# KiCad board emonPi3.kicad_pcb
title: emonPi3; date: 2025-05-18; rev: 1.0; company: OpenEnergyMonitor / Tilt Ltd; note: https://openenergymonitor.org; note: github.com/awjlogan/emon32
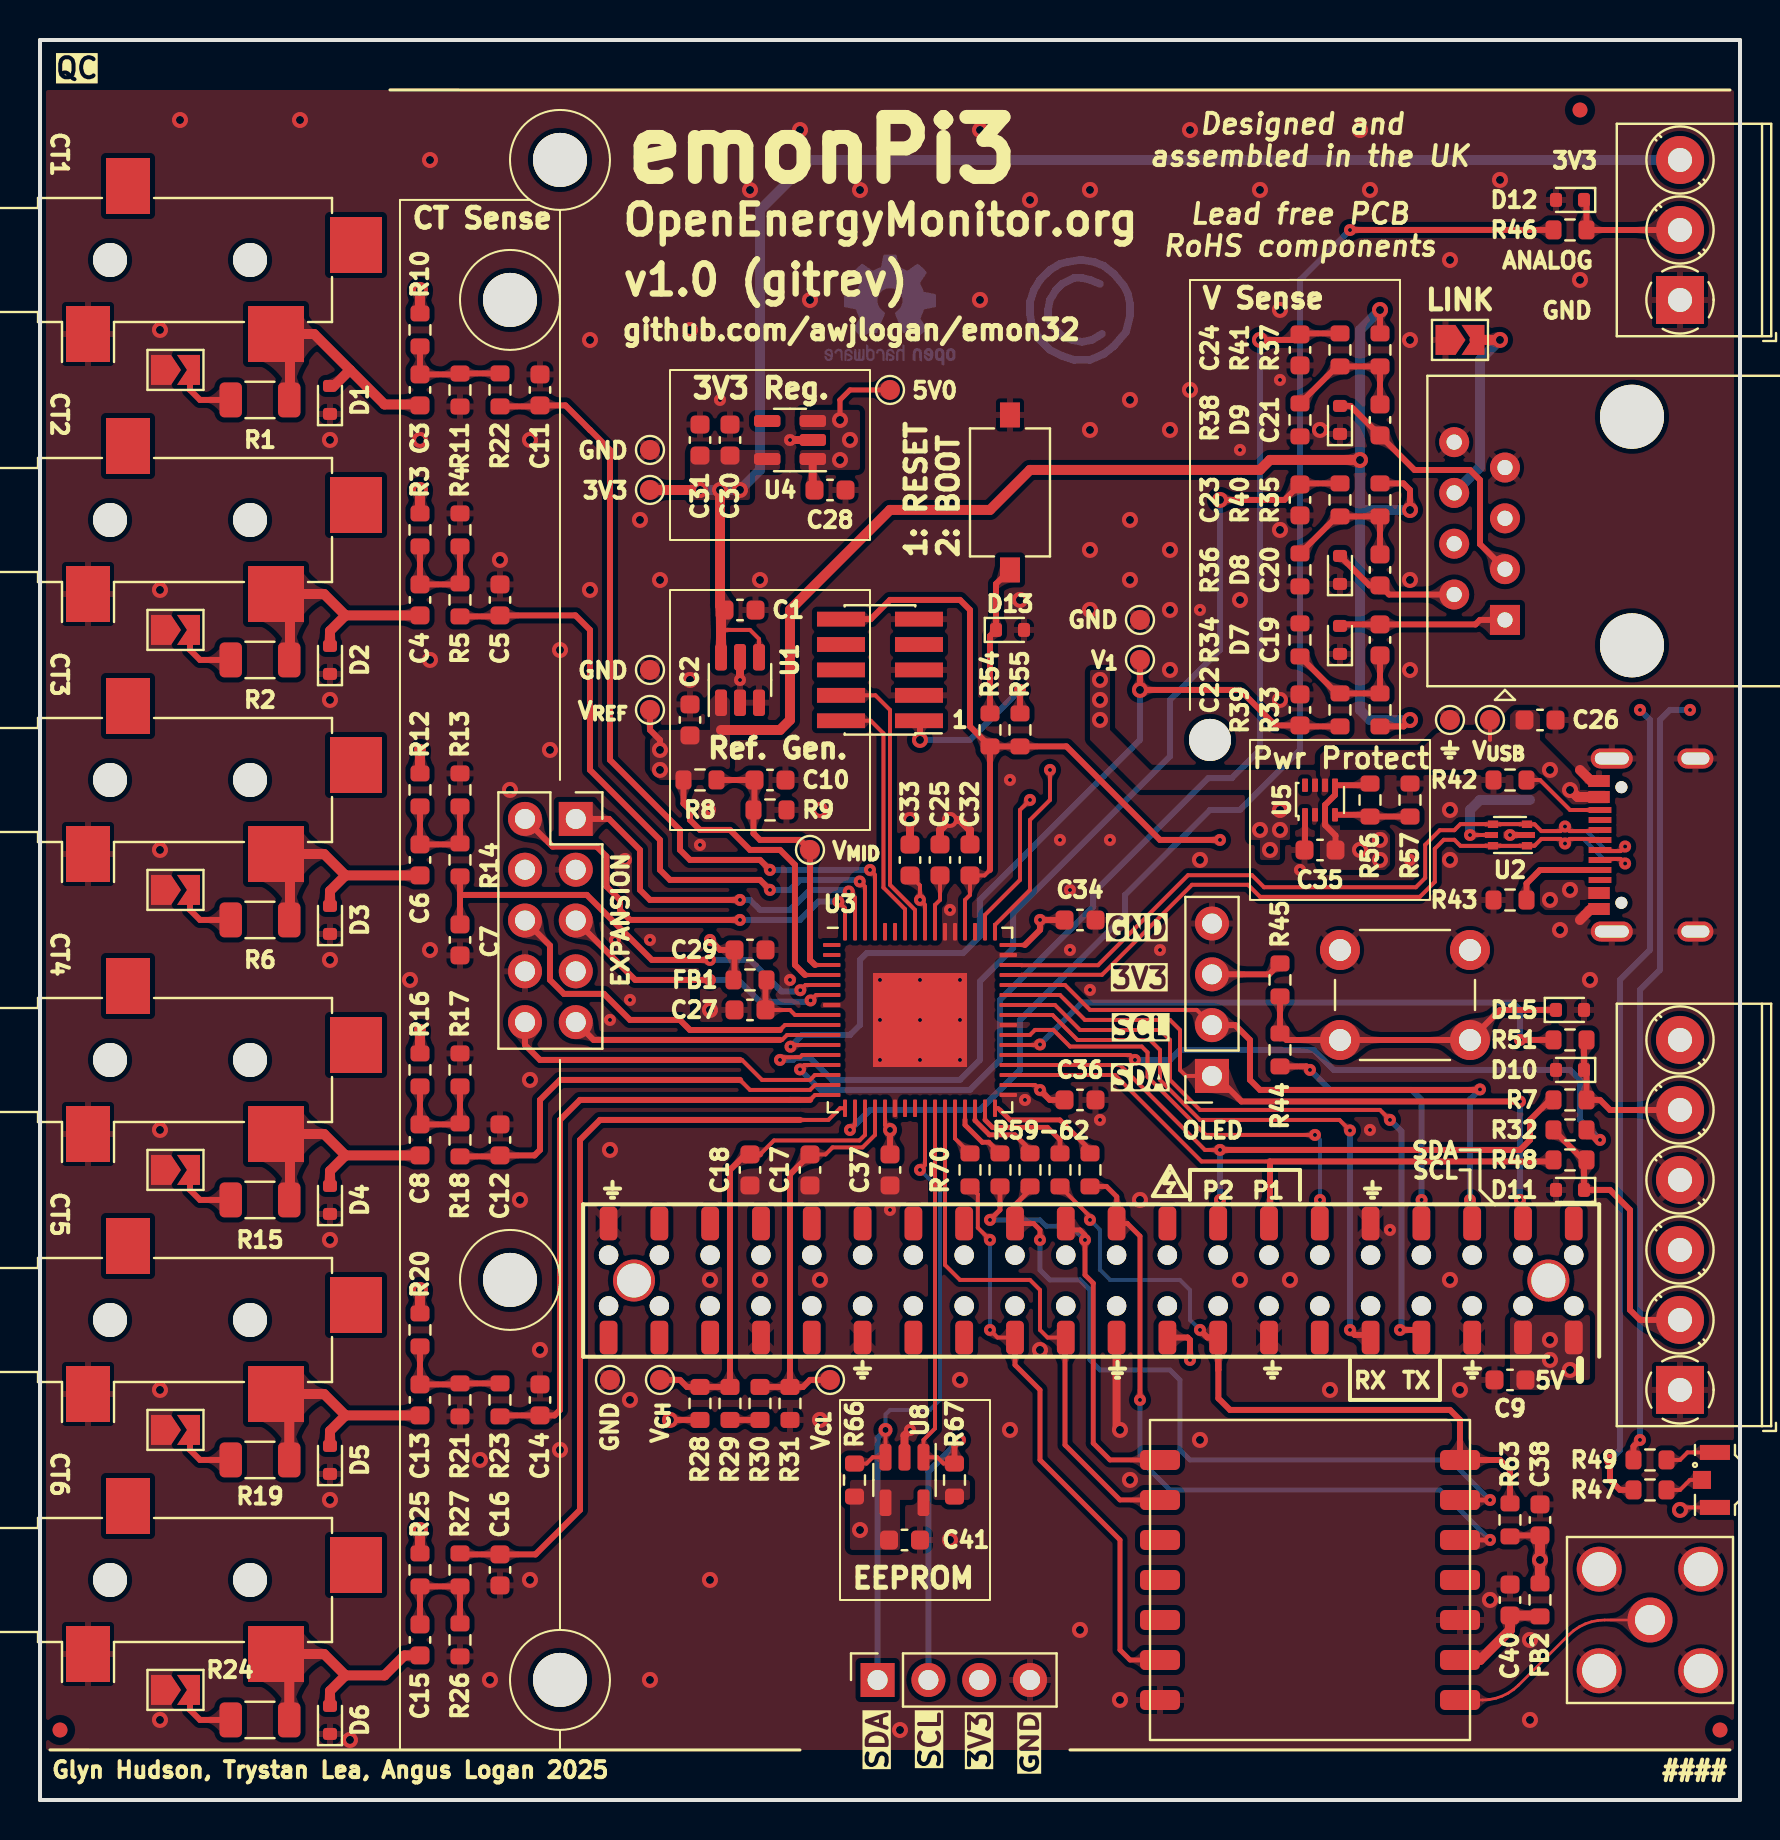
[diagram p0: board, top side]
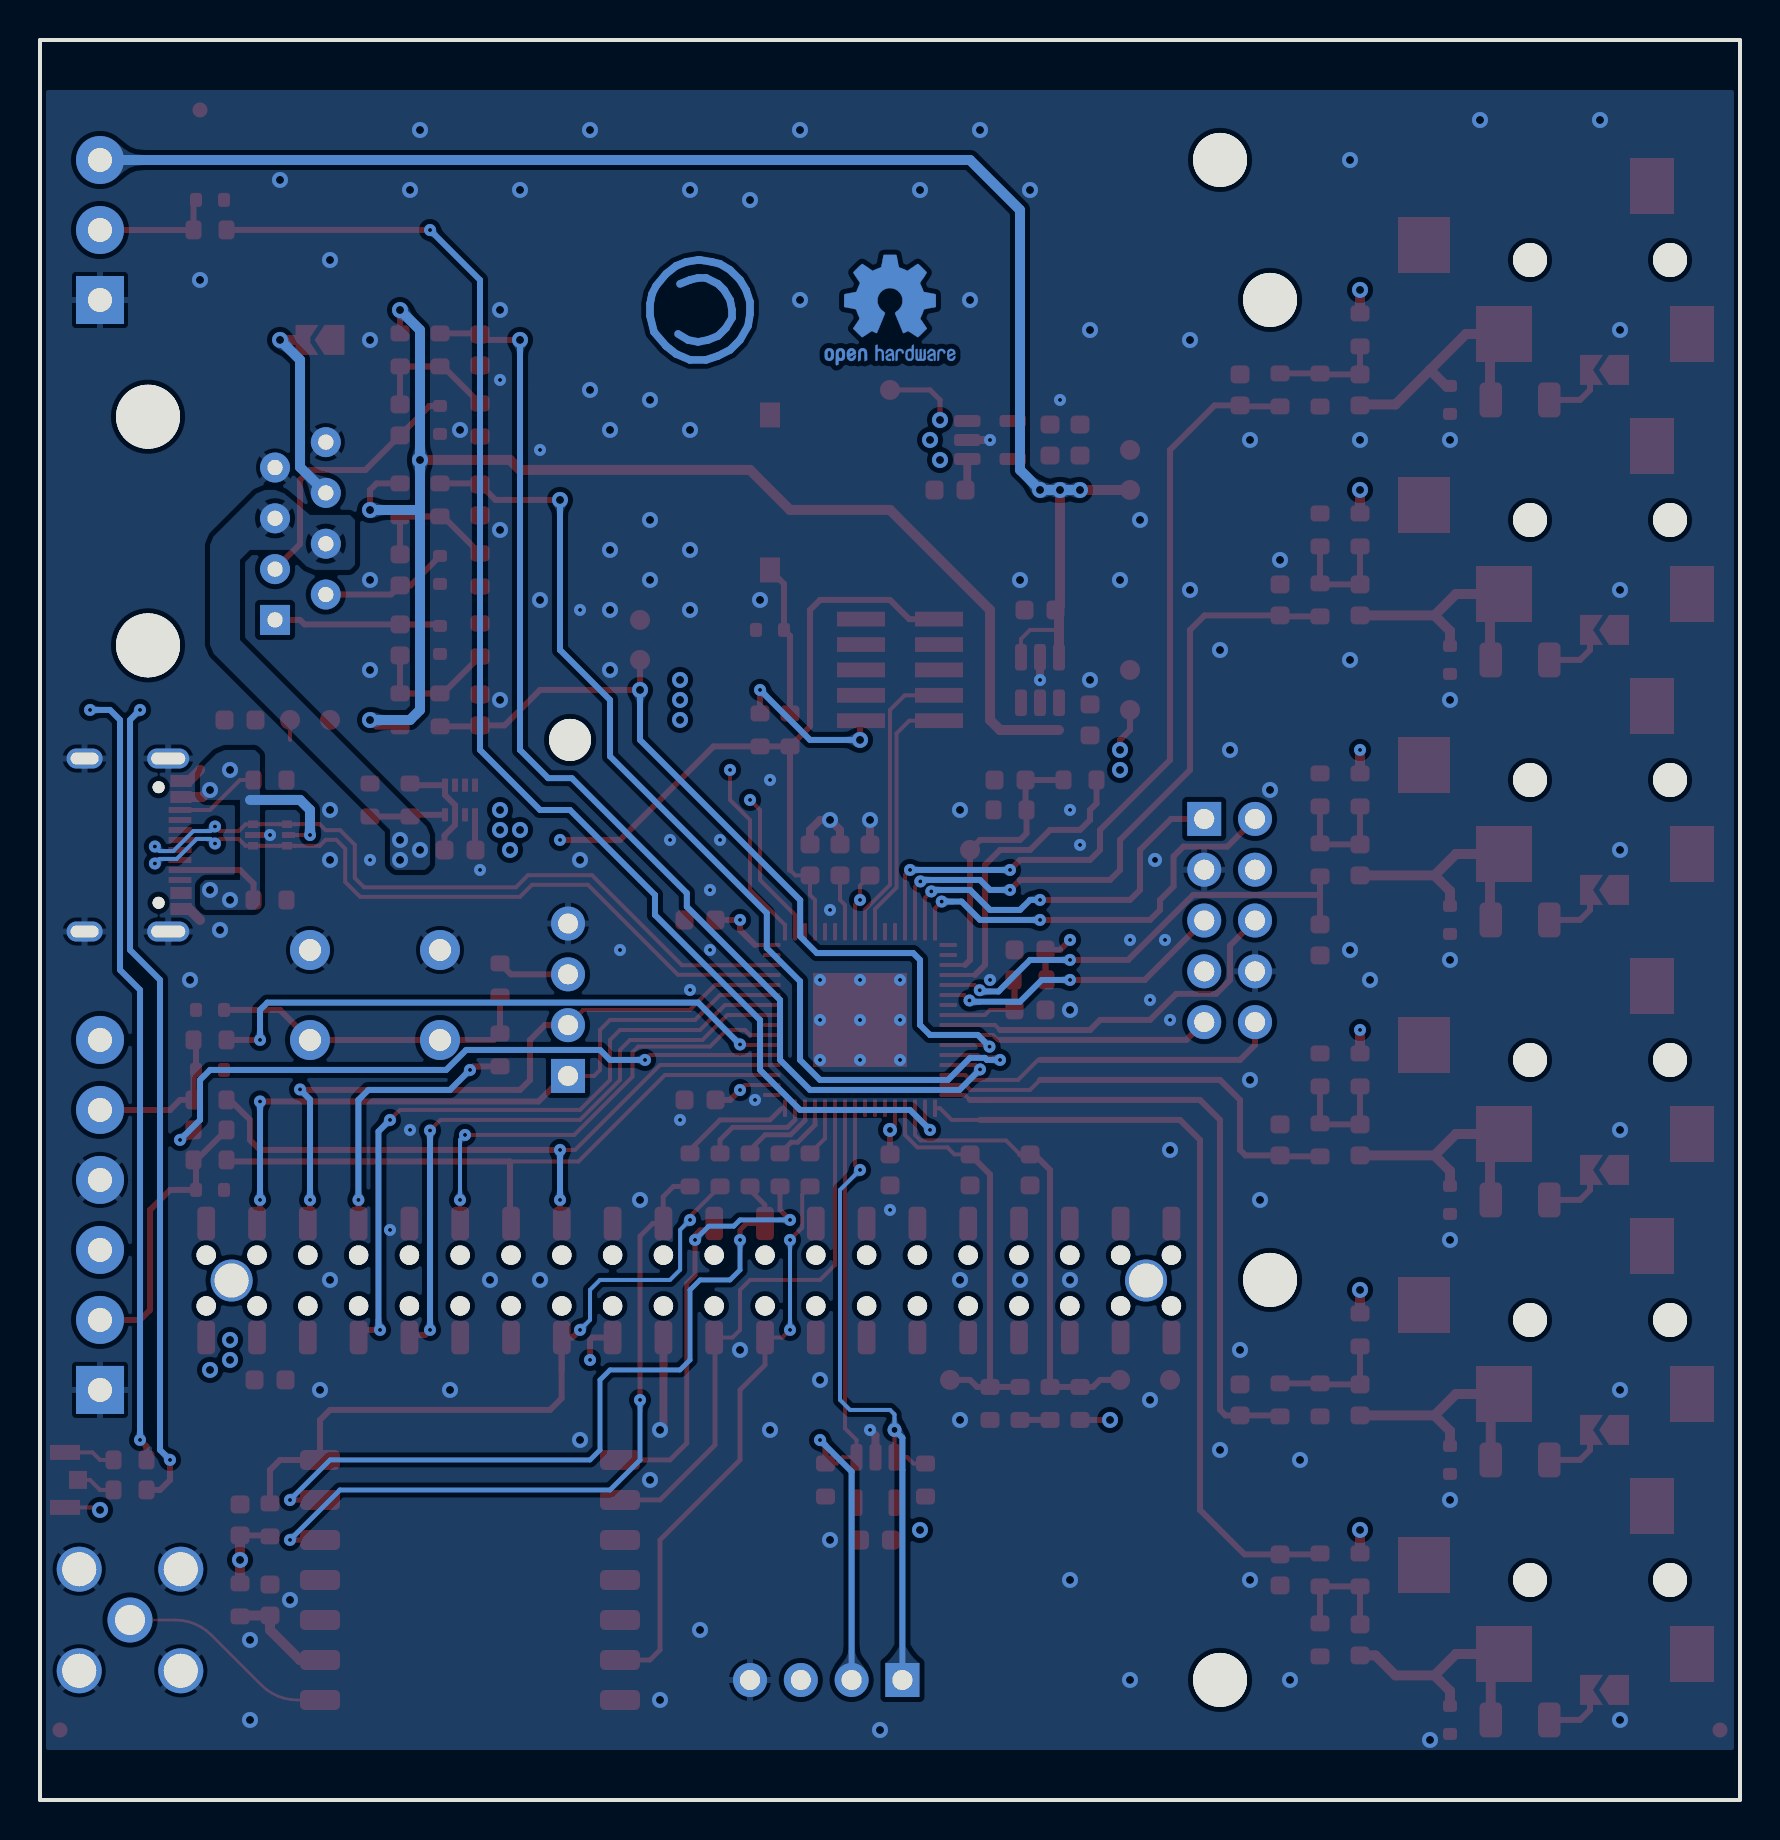
[diagram p1: board, bottom side, seen from below]

Outline 85 x 88 mm; copper layers: Top, In1.Cu (plane), In2.Cu (plane), Bottom. Coordinates in mm from the lower left corner of the outline.
Outline path: 0,0 0,88 85,88 85,0 0,0
Stack: Top 0.035mm / dielectric 0.1mm FR4 er 4.5 / In1.Cu 0.035mm / dielectric 1.24mm FR4 er 4.5 / In2.Cu 0.035mm / dielectric 0.1mm FR4 er 4.5 / Bottom 0.035mm

## Placement (name value [footprint] x y rotation side)
C1  10uF  [C_0603_1608Metric]  35 59.5 0 top
C2  1n  [C_0603_1608Metric]  32.5 54 90 top
C3  10uF  [C_0603_1608Metric]  19 70.5 90 top
C4  10uF  [C_0603_1608Metric]  19 60 90 top
C5  10n  [C_0603_1608Metric]  23 60 90 top
C6  10uF  [C_0603_1608Metric]  19 47 90 top
C7  10n  [C_0603_1608Metric]  21 43 270 top
C8  10uF  [C_0603_1608Metric]  19 33 90 top
C9  10uF  [C_0603_1608Metric]  73.5 21 180 top
C10  1n  [C_0603_1608Metric]  36.5 51 0 top
C11  10n  [C_0603_1608Metric]  25 70.5 90 top
C12  10n  [C_0603_1608Metric]  23 33 90 top
C13  10uF  [C_0603_1608Metric]  19 20 90 top
C14  10n  [C_0603_1608Metric]  25 20 90 top
C15  10uF  [C_0603_1608Metric]  19 8 90 top
C16  10n  [C_0603_1608Metric]  23 11.5 270 top
C17  1n  [C_0603_1608Metric]  38.5 31.5 270 top
C18  1n  [C_0603_1608Metric]  35.5 31.5 270 top
C19  10uF  [C_0603_1608Metric]  67 58 270 top
C20  10uF  [C_0603_1608Metric]  67 61.5 90 top
C21  10uF  [C_0603_1608Metric]  67 69 90 top
C22  10n  [C_0603_1608Metric]  63 54.5 90 top
C23  10n  [C_0603_1608Metric]  63 65 270 top
C24  10n  [C_0603_1608Metric]  63 72.5 270 top
C25  1uF  [C_0603_1608Metric]  45 47 90 top
C26  1uF  [C_0603_1608Metric]  75 54 180 top
C27  100nF  [C_0603_1608Metric]  35.5 39.5 180 top
C28  1uF  [C_0603_1608Metric]  39.5 65.5 180 top
C29  10uF  [C_0603_1608Metric]  35.5 42.5 0 top
C30  1uF  [C_0603_1608Metric]  34.5 68 270 top
C31  100nF  [C_0603_1608Metric]  33 68 270 top
C32  10n  [C_0603_1608Metric]  46.5 47 90 top
C33  100nF  [C_0603_1608Metric]  43.5 47 90 top
C34  100nF  [C_0603_1608Metric]  52 44 0 top
C35  1uF  [C_0603_1608Metric]  64 47.5 0 top
C36  100nF  [C_0603_1608Metric]  52 35 0 top
C37  100nF  [C_0603_1608Metric]  42.5 31.5 270 top
C38  10uF  [C_0603_1608Metric]  75 14 90 top
C40  100nF  [C_0603_1608Metric]  73.5 10 90 top
C41  100nF  [C_0603_1608Metric]  43.23 13 0 top
CN1  Screw_Terminal_01x06  [TerminalBlock_Phoenix_PT-1,5-6-3.5-H_1x06_P3.50mm_Horizontal]  82 20.5 90 top
CN3  CONN_03SCREW  [TerminalBlock_Phoenix_PT-1,5-3-3.5-H_1x03_P3.50mm_Horizontal]  82 75 90 top
D1  5V  [D_SOD-523]  14.5 70 90 top
D2  5V  [D_SOD-523]  14.5 57 90 top
D3  5V  [D_SOD-523]  14.5 44 90 top
D4  5V  [D_SOD-523]  14.5 30 90 top
D5  5V  [D_SOD-523]  14.5 17 90 top
D6  5V  [D_SOD-523]  14.5 4 90 top
D7  5V  [D_SOD-523]  65 58 90 top
D8  5V  [D_SOD-523]  65 61.5 90 top
D9  5V  [D_SOD-523]  65 69 90 top
D10  ESD5Z3.3T5G  [D_SOD-523]  76.5 36.5 180 top
D11  ESD5Z3.3T5G  [D_SOD-523]  76.5 30.5 180 top
D12  ESD5Z3.3T5G  [D_SOD-523]  76.5 80 180 top
D13  ESD5Z3.3T5G  [D_SOD-523]  48.5 58.5 0 top
D15  ESD5Z3.3T5G  [D_SOD-523]  76.5 39.5 0 top
FB1  FerriteBead  [R_0603_1608Metric]  35.5 41 180 top
FB2  FerriteBead  [R_0603_1608Metric]  75 10 270 top
FD1  FIDUCIAL1X2  [Fiducial_0.75mm_Mask1.5mm]  1 3.5 0 top
FD2  FIDUCIAL1X2  [Fiducial_0.75mm_Mask1.5mm]  84 3.5 0 top
FD3  FIDUCIAL1X2  [Fiducial_0.75mm_Mask1.5mm]  77 84.5 0 top
GND_LINK1  SOLDERJUMPERNC  [SolderJumper-2_P1.3mm_Open_TrianglePad1.0x1.5mm]  71 73 0 top
H1  MountingHole  [MountingHole_2.7mm_M2.5]  26 82 0 top
H2  MountingHole  [MountingHole_2.7mm_M2.5]  23.5 75 0 top
H3  MountingHole  [MountingHole_2.7mm_M2.5]  23.5 26 0 top
H4  MountingHole  [MountingHole_2.7mm_M2.5]  26 6 0 top
H7  MountingHole  [MountingHole_2.1mm]  58.5 53 0 top
J1  SJ-3524-SMT-TR  [Jack_3.5mm_CUI_SJ-3524-SMT_Horizontal]  6 77 90 top
J2  SJ-3524-SMT-TR  [Jack_3.5mm_CUI_SJ-3524-SMT_Horizontal]  6 64 90 top
J3  SJ-3524-SMT-TR  [Jack_3.5mm_CUI_SJ-3524-SMT_Horizontal]  6 51 90 top
J4  SJ-3524-SMT-TR  [Jack_3.5mm_CUI_SJ-3524-SMT_Horizontal]  6 37 90 top
J5  SJ-3524-SMT-TR  [Jack_3.5mm_CUI_SJ-3524-SMT_Horizontal]  6 24 90 top
J6  SJ-3524-SMT-TR  [Jack_3.5mm_CUI_SJ-3524-SMT_Horizontal]  6 11 90 top
J7  CONN_04PTH  [PinSocket_1x04_P2.54mm_Vertical]  41.88 6 90 top
J8  CONN_04PTH  [PinSocket_1x04_P2.54mm_Vertical]  58.6 36.2 180 top
J9  USB_C_Receptacle_USB2.0  [CSP-USC16-TR]  81.5 48 90 top
J10  Conn_ARM_JTAG_SWD_10  [PinHeader_2x05_P1.27mm_Vertical_SMD]  42 56.5 180 top
J12  Conn_02x20_Odd_Even  [REF-182665]  52.56 25.97 180 top
J13  Conn_02x05_Odd_Even  [PinSocket_2x05_P2.54mm_Vertical]  26.79 49.05 0 top
JP1  SolderJumper_2_Open  [SolderJumper-2_P1.3mm_Open_TrianglePad1.0x1.5mm]  6.77 71.5 0 top
JP2  SolderJumper_2_Open  [SolderJumper-2_P1.3mm_Open_TrianglePad1.0x1.5mm]  6.77 58.5 0 top
JP3  SolderJumper_2_Open  [SolderJumper-2_P1.3mm_Open_TrianglePad1.0x1.5mm]  6.77 45.5 0 top
JP4  SolderJumper_2_Open  [SolderJumper-2_P1.3mm_Open_TrianglePad1.0x1.5mm]  6.77 31.5 0 top
JP5  SolderJumper_2_Open  [SolderJumper-2_P1.3mm_Open_TrianglePad1.0x1.5mm]  6.77 18.5 0 top
JP6  SolderJumper_2_Open  [SolderJumper-2_P1.3mm_Open_TrianglePad1.0x1.5mm]  6.77 5.5 0 top
LED5  LED_Dual_KAK  [LTST-S326]  83.75 16 0 top
R1  6R8  [R_1206_3216Metric]  11 70 180 top
R2  6R8  [R_1206_3216Metric]  11 57 180 top
R3  47K  [R_0603_1608Metric]  19 63.5 270 top
R4  47K  [R_0603_1608Metric]  21 63.5 270 top
R5  3K0  [R_0603_1608Metric]  21 60 90 top
R6  6R8  [R_1206_3216Metric]  11 44 180 top
R7  1K  [R_0603_1608Metric]  76.5 35 180 top
R8  10K  [R_0603_1608Metric]  33 51 180 top
R9  10K  [R_0603_1608Metric]  36.5 49.5 180 top
R10  47K  [R_0603_1608Metric]  19 73.5 270 top
R11  47K  [R_0603_1608Metric]  21 70.5 90 top
R12  47K  [R_0603_1608Metric]  19 50.5 270 top
R13  47K  [R_0603_1608Metric]  21 50.5 270 top
R14  3K0  [R_0603_1608Metric]  21 47 90 top
R15  6R8  [R_1206_3216Metric]  11 30 180 top
R16  47K  [R_0603_1608Metric]  19 36.5 270 top
R17  47K  [R_0603_1608Metric]  21 36.5 270 top
R18  3K0  [R_0603_1608Metric]  21 33 90 top
R19  6R8  [R_1206_3216Metric]  11 17 180 top
R20  47K  [R_0603_1608Metric]  19 23.5 270 top
R21  47K  [R_0603_1608Metric]  21 20 90 top
R22  3K0  [R_0603_1608Metric]  23 70.5 90 top
R23  3K0  [R_0603_1608Metric]  23 20 90 top
R24  6R8  [R_1206_3216Metric]  11 4 180 top
R25  47K  [R_0603_1608Metric]  19 11.5 270 top
R26  47K  [R_0603_1608Metric]  21 8 90 top
R27  3K0  [R_0603_1608Metric]  21 11.5 270 top
R28  5K1  [R_0603_1608Metric]  33 19.83 270 top
R29  5K1  [R_0603_1608Metric]  34.5 19.83 90 top
R30  5K1  [R_0603_1608Metric]  36 19.83 270 top
R31  5K1  [R_0603_1608Metric]  37.5 19.83 90 top
R32  3K0  [R_0603_1608Metric]  76.5 33.5 180 top
R33  47K  [R_0603_1608Metric]  67 54.5 90 top
R34  47K  [R_0603_1608Metric]  63 58 270 top
R35  47K  [R_0603_1608Metric]  67 65 270 top
R36  47K  [R_0603_1608Metric]  63 61.5 270 top
R37  47K  [R_0603_1608Metric]  67 72.5 270 top
R38  47K  [R_0603_1608Metric]  63 69 270 top
R39  3K0  [R_0603_1608Metric]  65 54.5 270 top
R40  3K0  [R_0603_1608Metric]  65 65 90 top
R41  3K0  [R_0603_1608Metric]  65 72.5 90 top
R42  5K1  [R_0603_1608Metric]  73.5 51 0 top
R43  5K1  [R_0603_1608Metric]  73.5 45 0 top
R44  1K  [R_0603_1608Metric]  62 37.5 270 top
R45  10K  [R_0603_1608Metric]  62 41 270 top
R46  1K  [R_0603_1608Metric]  76.5 78.5 180 top
R47  1K  [R_0603_1608Metric]  80.5 15.5 0 top
R48  1K  [R_0603_1608Metric]  76.5 32 180 top
R49  1K  [R_0603_1608Metric]  80.5 17 0 top
R51  3K0  [R_0603_1608Metric]  76.5 38 0 top
R54  1K  [R_0603_1608Metric]  47.5 53.5 270 top
R55  10K  [R_0603_1608Metric]  49 53.5 270 top
R56  10K  [R_0603_1608Metric]  66.5 50 90 top
R57  10K  [R_0603_1608Metric]  68.5 50 270 top
R59  22R  [R_0603_1608Metric]  52.5 31.5 270 top
R60  22R  [R_0603_1608Metric]  48 31.5 90 top
R61  22R  [R_0603_1608Metric]  49.5 31.5 270 top
R62  22R  [R_0603_1608Metric]  51 31.5 270 top
R63  47K  [R_0603_1608Metric]  73.5 14 270 top
R66  3K0  [R_0603_1608Metric]  40.73 16 90 top
R67  3K0  [R_0603_1608Metric]  45.73 16 90 top
R70  22R  [R_0603_1608Metric]  46.5 31.5 270 top
REF**  -  [OSHW-Logo2_7.3x6mm_Copper]  42.5 74.5 180 bottom
REF**#2  -  [Symbol_CC-ShareAlike_CopperTop_Small]  52 74.5 180 bottom
RJ1  RJ45-8PTH  [RJ45_Amphenol_54602-x08_Horizontal]  73.25 59 90 top
SMA1  SMACONNECTOR  [SMA_Amphenol_132203-12_Horizontal]  80.5 9 270 top
SW1  SW_Push  [SW_PUSH_6mm]  65 42.5 0 top
SW3  SW_Push  [SW_Tactile_SPST_NO_Straight_CK_PTS636Sx25SMTRLFS]  48.5 65.38 90 top
TP1  TestPoint  [TestPoint_Pad_D1.0mm]  30.5 54.5 0 top
TP2  TestPoint  [TestPoint_Pad_D1.0mm]  38.5 47.5 0 top
TP3  TestPoint  [TestPoint_Pad_D1.0mm]  72.5 54 0 top
TP4  TestPoint  [TestPoint_Pad_D1.0mm]  42.5 70.5 180 top
TP5  TestPoint  [TestPoint_Pad_D1.0mm]  30.5 65.5 0 top
TP6  TestPoint  [TestPoint_Pad_D1.0mm]  30.5 56.5 0 top
TP7  TestPoint  [TestPoint_Pad_D1.0mm]  55 57 0 top
TP8  TestPoint  [TestPoint_Pad_D1.0mm]  31 21 0 top
TP9  TestPoint  [TestPoint_Pad_D1.0mm]  39.5 21 0 top
TP10  TestPoint  [TestPoint_Pad_D1.0mm]  28.5 21 0 top
TP11  TestPoint  [TestPoint_Pad_D1.0mm]  55 59 0 top
TP12  TestPoint  [TestPoint_Pad_D1.0mm]  70.5 54 0 top
TP13  TestPoint  [TestPoint_Pad_D1.0mm]  30.5 67.5 0 top
U1  MCP1501T-10E/CHY  [SOT-23-6]  35 56 90 top
U2  USBLC6-2P6  [SOT-666]  73.5 48.25 180 top
U3  ATSAMD21J17A-M  [QFN-64-1EP_9x9mm_P0.5mm_EP4.7x4.7mm]  44 39 0 top
U4  AP2112K-3.3  [SOT-23-5]  37.5 68 180 top
U5  TPS2116DRLR  [SOT-583-8]  64 50 90 top
U7  -  [RFM69CW]  63.5 11 180 top
U8  24FC08-OT  [SOT-23-5]  43.23 16 270 top

## Library data of the parts
C1 C2 C5 C7 C10-C12 C14 C16-C18 C22-C24 C27 C31-C34 C36 C37 C40 C41 = -: Description: Unpolarized capacitor
C3 C4 C6 C8 C9 C13 C15 C19-C21 C29 C38 = -: Description: Unpolarized capacitor; Voltage: 6V
C25 C26 C28 C30 C35 = -: Description: Unpolarized capacitor; Voltage: 16V
CN1 = -: Description: Generic screw terminal, single row, 01x06, script generated (kicad-library-utils/schlib/autogen/connector/); MPN: 5441388; Manufacturer: Pheonix Contact; Mouser: 651-5441388
CN3 = -: Description: Generic screw terminal, single row, 01x03, script generated (kicad-library-utils/schlib/autogen/connector/); MPN: 5441359; Manufacturer: Pheonix Contact; Mouser: 651-5441359
D1-D9 = -: Description: Bidirectional transient-voltage-suppression diode; MPN: DF2B7AE,H3F; Manufacturer: Toshiba; Mouser: 757-DF2B7AEH3F
D10-D13 D15 = -: Description: ESD Protection Diode, SOD-523
FB1 = -: Description: Ferrite bead; MPN: MPZ1608D300BTA00
FB2 = -: Description: Ferrite bead
FD1-FD3 = -: Description: Fiducial Marker
GND_LINK1 JP1-JP6 = -: Description: Solder Jumper, 2-pole, open
H1-H4 H7 = -: Description: Mounting Hole without connection
J1-J6 = -: Description: Audio Jack, 3 Poles (Stereo / TRS)
J7 J8 = -: Description: Generic connector, single row, 01x04, script generated (kicad-library-utils/schlib/autogen/connector/)
J9 = -: Description: USB 2.0-only Type-C Receptacle connector; Alternate: Amphenol 12402012E212A
J10 = -: Description: Cortex Debug Connector, standard ARM Cortex-M SWD and JTAG interface
J12 = -: Description: Generic connector, double row, 02x20, odd/even pin numbering scheme (row 1 odd numbers, row 2 even numbers), script generated (kicad-library-utils/schlib/autogen/connector/)
J13 = -: Description: Generic connector, double row, 02x05, odd/even pin numbering scheme (row 1 odd numbers, row 2 even numbers), script generated (kicad-library-utils/schlib/autogen/connector/)
LED5 = -: Description: Dual LED, common anode on pin 2; MPN: LTST-S326KGJRKT; Manufacturer: Lite-On; Mouser: 859-LTST-S326KGJRKT
R1-R27 R32-R41 R44-R49 R51 R54-R57 R59-R63 R66 R67 R70 = -: Description: Resistor
R28-R31 = -: Description: Resistor; Tolerance: 0.1%
R42 R43 = -: Description: Resistor; MPN: ERA-3AED512V; Mouser: 667-ERA-3AED512V; Tolerance: 0.1%
RJ1 = -: Description: RJ connector, 8P8C (8 positions 8 connected); MPN: 54602-908LF; Mouser: 649-54602-908LF
SMA1 = -: Description: coaxial connector (BNC, SMA, SMB, SMC, Cinch/RCA, LEMO, ...)
SW1 SW3 = -: Description: Push button switch, generic, two pins
TP1-TP13 = -: Description: test point
U1 = -: Description: 1.024V, 0.1%, 20mA, Precision Voltage Reference, SOT-23-6; Manufacturer: Microchip Technology; Mouser: 579-MCP1501T-10E/CHY
U2 = -: Description: Very low capacitance ESD protection diode, 2 data-line, SOT-666; Manufacturer: STMicroelectronics; Mouser: 511-USBLC6-2P6
U3 = -: Description: SAM D21 Microchip SMART ARM-based Flash MCU, 48Mhz, 128K Flash, 16K SRAM, QFN-64; MPN: ATSAMD21J17A-MU; Manufacturer: Microchip; Mouser: 556-ATSAMD21J17A-MU
U4 = -: Description: 600mA low dropout linear regulator, with enable pin, 3.8V-6V input voltage range, 3.3V fixed positive output, SOT-23-5; MPN: AP2112K-3.3TRG1; Manufacturer: Diodes Incorporated; Mouser: 621-AP2112K-3.3TRG1
U5 = -: Description: Power Mux with Manual and Priority Switchover; Manufacturer: TI; Mouser: 595-TPS2116DRLR
U7 = -: Description: HopeRF RFM69CW wireless module
U8 = -: Description: I2C Serial EEPROM, 2Kb, SOT-23; MPN: 24FC08T-I/OT; Manufacturer: Microchip; Mouser: 579-24FC08T-I/OT

## Footprints (pads in the part's own frame, mm; a bottom-side part is the same pattern mirrored in y, then rotated)
C_0603_1608Metric
  rrect 0.9x0.95 smd: 1(-0.775,0) 2(0.775,0)
CSP-USC16-TR
  round 0.6 hole 0.6 unplated: (-3.14,2.43) (2.64,2.43)
  rect 0.6x1.05 smd: A1(-3.45,3.55) A4(-2.65,3.55) A9(2.15,3.55) A12(2.95,3.55) B1(2.95,3.55) B4(2.15,3.55) B9(-2.65,3.55) B12(-3.45,3.55)
  rect 0.3x1.14 smd: A5(-1.5,3.5) A6(-0.5,3.5) A7(0,3.5) A8(1,3.5) B5(1.5,3.5) B6(0.5,3.5) B7(-1,3.5) B8(-2,3.5)
  oval 1x2.1 hole 0.6x1.7: S1(-4.575,2.91) S1(4.075,2.91)
  oval 1x1.8 hole 0.6x1.4: S1(-4.575,-1.27) S1(4.075,-1.27)
D_SOD-523
  rrect 0.6x0.7 smd: 1(-0.7,0) 2(0.7,0)
Fiducial_0.75mm_Mask1.5mm
  round 0.75 smd: (0,0)
Jack_3.5mm_CUI_SJ-3524-SMT_Horizontal
  round 1.7 hole 1.7 unplated: (0,2.5) (0,-4.5)
  rect 2.8x2.2 smd: R(3.7,1.6) S(-3.7,3.6)
  rect 2.8x2.8 smd: T(-3.7,-5.8)
  rect 2.8x2.6 smd: TN(0.75,-9.8)
LTST-S326
  rect 1.5x0.75 smd: 1(0,1.375) 2(0,-1.375)
  rect 0.9x0.9 smd: 3(-0.65,0)
MountingHole_2.1mm
  round 2.1 hole 2.1 unplated: (0,0)
MountingHole_2.7mm_M2.5
  round 2.7 hole 2.7 unplated: (0,0)
PinHeader_2x05_P1.27mm_Vertical_SMD
  rect 2.4x0.74 smd: 1(-1.95,2.54) 2(1.95,2.54) 3(-1.95,1.27) 4(1.95,1.27) 5(-1.95,0) 6(1.95,0) 7(-1.95,-1.27) 8(1.95,-1.27) 9(-1.95,-2.54) 10(1.95,-2.54)
PinSocket_1x04_P2.54mm_Vertical
  rect 1.7x1.7 hole 1: 1(0,0)
  oval 1.7x1.7 hole 1: 2(0,-2.54) 3(0,-5.08) 4(0,-7.62)
PinSocket_2x05_P2.54mm_Vertical
  rect 1.7x1.7 hole 1: 1(0,0)
  oval 1.7x1.7 hole 1: 2(-2.54,0) 3(0,-2.54) 4(-2.54,-2.54) 5(0,-5.08) 6(-2.54,-5.08) 7(0,-7.62) 8(-2.54,-7.62) 9(0,-10.16) 10(-2.54,-10.16)
QFN-64-1EP_9x9mm_P0.5mm_EP4.7x4.7mm
  rrect 1.26x1.26 smd: (-1.57,1.57) (-1.57,0) (-1.57,-1.57) (0,1.57) (0,0) (0,-1.57) (1.57,1.57) (1.57,0) (1.57,-1.57)
  rrect 0.875x0.2 smd: 1(-4.412,3.75) 2(-4.412,3.25) 3(-4.412,2.75) 4(-4.412,2.25) 5(-4.412,1.75) 6(-4.412,1.25) 7(-4.412,0.75) 8(-4.412,0.25) 9(-4.412,-0.25) 10(-4.412,-0.75) 11(-4.412,-1.25) 12(-4.412,-1.75) 13(-4.412,-2.25) 14(-4.412,-2.75) 15(-4.412,-3.25) 16(-4.412,-3.75) 33(4.412,-3.75) 34(4.412,-3.25) 35(4.412,-2.75) 36(4.412,-2.25) 37(4.412,-1.75) 38(4.412,-1.25) 39(4.412,-0.75) 40(4.412,-0.25) 41(4.412,0.25) 42(4.412,0.75) 43(4.412,1.25) 44(4.412,1.75) 45(4.412,2.25) 46(4.412,2.75) 47(4.412,3.25) 48(4.412,3.75)
  rrect 0.2x0.875 smd: 17(-3.75,-4.412) 18(-3.25,-4.412) 19(-2.75,-4.412) 20(-2.25,-4.412) 21(-1.75,-4.412) 22(-1.25,-4.412) 23(-0.75,-4.412) 24(-0.25,-4.412) 25(0.25,-4.412) 26(0.75,-4.412) 27(1.25,-4.412) 28(1.75,-4.412) 29(2.25,-4.412) 30(2.75,-4.412) 31(3.25,-4.412) 32(3.75,-4.412) 49(3.75,4.412) 50(3.25,4.412) 51(2.75,4.412) 52(2.25,4.412) 53(1.75,4.412) 54(1.25,4.412) 55(0.75,4.412) 56(0.25,4.412) 57(-0.25,4.412) 58(-0.75,4.412) 59(-1.25,4.412) 60(-1.75,4.412) 61(-2.25,4.412) 62(-2.75,4.412) 63(-3.25,4.412) 64(-3.75,4.412)
  rect 4.7x4.7 smd: 65(0,0)
R_0603_1608Metric
  rrect 0.8x0.95 smd: 1(-0.825,0) 2(0.825,0)
R_1206_3216Metric
  rrect 1.125x1.75 smd: 1(-1.462,0) 2(1.462,0)
REF-182665
  round 0.97 hole 0.97 unplated: (-24.13,1.27) (-24.13,-1.27) (-21.59,1.27) (-21.59,-1.27) (-19.05,1.27) (-19.05,-1.27) (-16.51,1.27) (-16.51,-1.27) (-13.97,1.27) (-13.97,-1.27) (-11.43,1.27) (-11.43,-1.27) (-8.89,1.27) (-8.89,-1.27) (-6.35,1.27) (-6.35,-1.27) (-3.81,1.27) (-3.81,-1.27) (-1.27,1.27) (-1.27,-1.27) (1.27,1.27) (1.27,-1.27) (3.81,1.27) (3.81,-1.27) (6.35,1.27) (6.35,-1.27) (8.89,1.27) (8.89,-1.27) (11.43,1.27) (11.43,-1.27) (13.97,1.27) (13.97,-1.27) (16.51,1.27) (16.51,-1.27) (19.05,1.27) (19.05,-1.27) (21.59,1.27) (21.59,-1.27) (24.13,1.27) (24.13,-1.27)